# Altium PCB DCAC_V2c.PcbDoc (part 2 of 7) (continued)
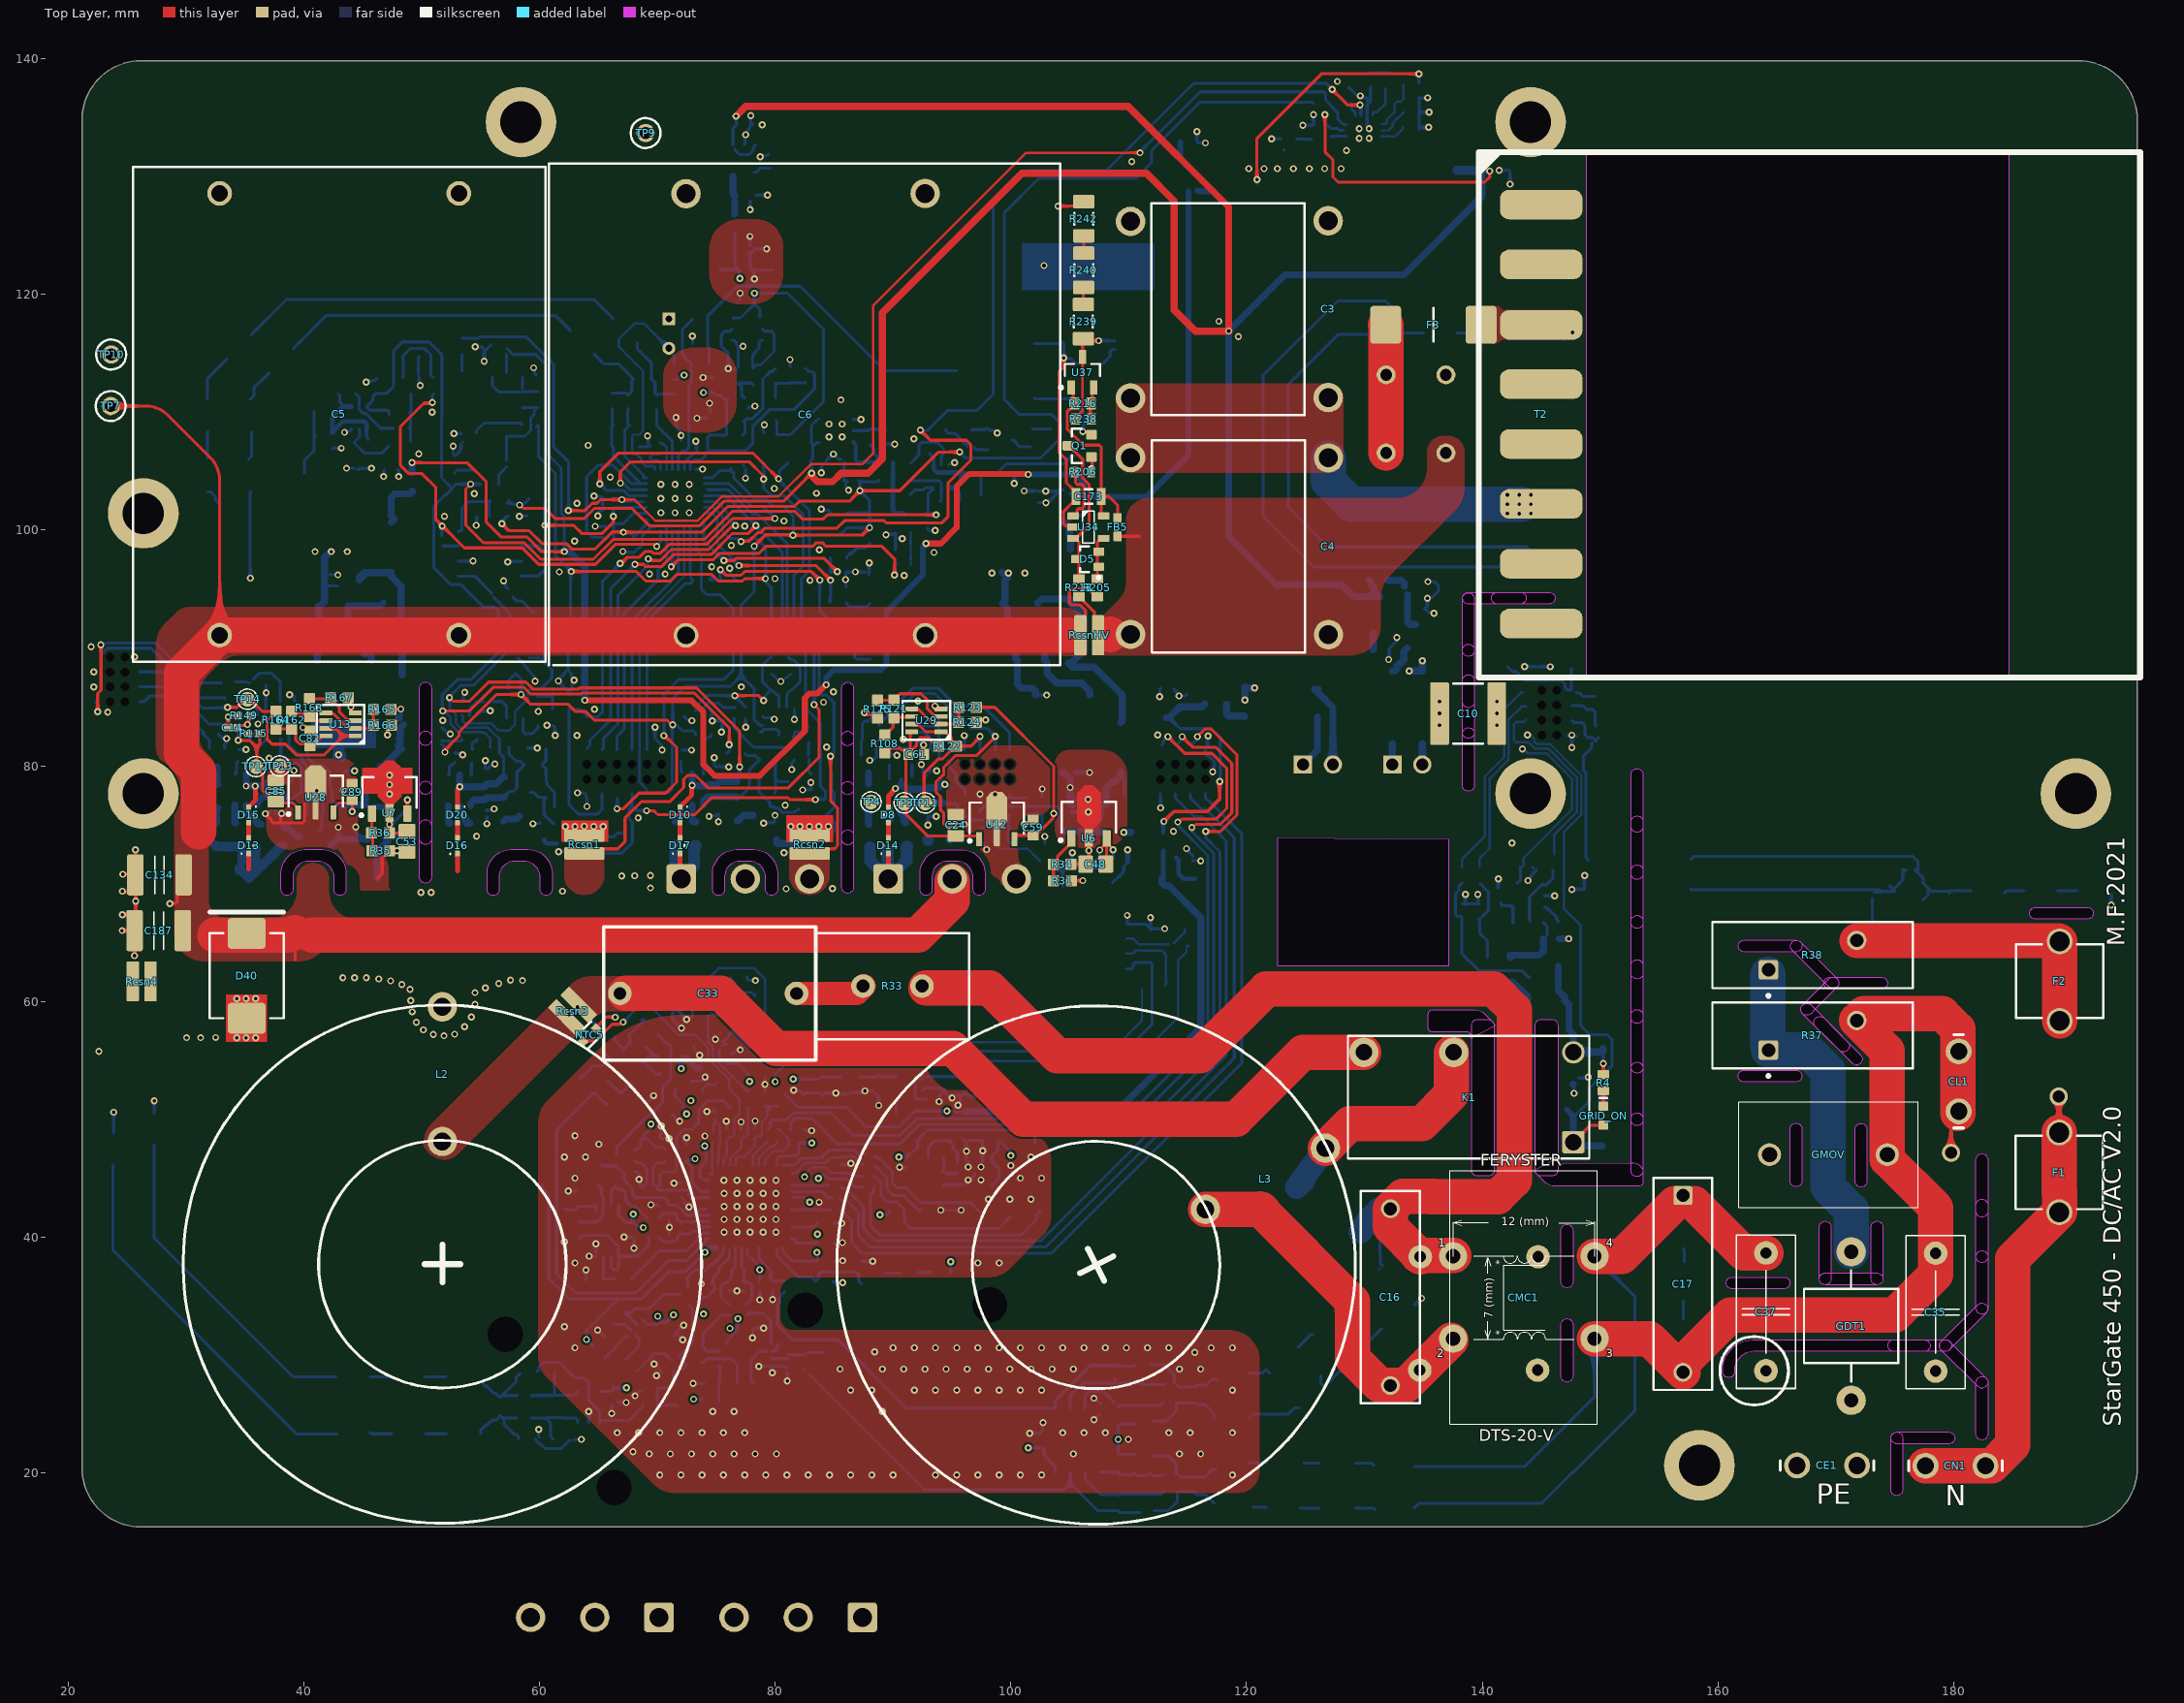
[diagram p0: Top Layer view]
## Footprints (in the part's own frame and the unit in brackets; to place one, negate y for a bottom-side part, rotate by r counter-clockwise, add the part's x,y. Pads: shape width x height; smd on the part's side, far side on the other; paste and mask are expansions set on the pad) (continued)
  round 1 on Mech15: 0(0,0)
  oval 1.6x0.6 smd: 1(-2.7,1.905) 2(-2.7,0.635) 3(-2.7,-0.635) 4(-2.7,-1.905) 5(2.7,-1.905) 6(2.7,-0.635) 7(2.7,0.635) 8(2.7,1.905)
  silkscreen extent -2.82,-2.5 1.6,2.83, body extent -3,-2.45 3,2.45, height 1.75
SOP65P490X109-8N [mm] "SOP, 0.65mm pitch, 8 pin, Body 3.0x3.0x1.09mm LWH, IPC Medium Density"
  round 1 on Mech15: 0(0,0)
  oval 1.5x0.4 smd: 1(-2.2,0.975) 2(-2.2,0.325) 3(-2.2,-0.325) 4(-2.2,-0.975) 5(2.2,-0.975) 6(2.2,-0.325) 7(2.2,0.325) 8(2.2,0.975)
  silkscreen extent -2.75,-1.6 1.2,1.83, body extent -2.45,-1.5 2.45,1.5, height 1.1
SOT23-3 [mm] "SOT23, 3 pin"
  round 0.5 on Mech15: 0(0,0)
  rrect25% 1x0.6 smd: 1(-1.15,0.95) 2(-1.15,-0.95) 3(1.15,0)
  silkscreen extent -0.38,-1.45 0.38,1.45, body extent -1.4,-1.45 1.4,1.45, height 1.29
SOT23-5 [mm]
  round 0.5 on Mech15: 0(0,0)
  rrect25% 1x0.6 smd: 1(-1.3,0.95) 2(-1.3,0) 3(-1.3,-0.95) 4(1.3,-0.95) 5(1.3,0.95)
  silkscreen extent -0.51,-1.35 0.51,1.35, body extent -1.4,-1.45 1.4,1.45, height 1.44
SOT23-6 [mm]
  round 0.5 on Mech15: 0(0,0)
  rrect25% 1x0.6 smd: 1(-1.3,0.95) 2(-1.3,0) 3(-1.3,-0.95) 4(1.3,-0.95) 5(1.3,0) 6(1.3,0.95)
  silkscreen extent -0.51,-1.35 0.51,1.35, body extent -1.4,-1.45 1.4,1.45, height 1.44
SOT65P280X110-8N [mm]
  rrect20% 1.1x0.4 smd: 1(-1.25,0.975) 2(-1.25,0.325) 3(-1.25,-0.325) 4(-1.25,-0.975) 5(1.25,-0.975) 6(1.25,-0.325) 7(1.25,0.325) 8(1.25,0.975)
  silkscreen extent -2.03,-1.65 2.03,1.67, body extent -1.4,-1.45 1.4,1.45, height 1.1
SOT223 [mm] "SOT223 /SC-73"
  round 1 on Mech15: 0(0,0)
  rrect25% 1.75x1.1 smd: 1(-3.3,2.3) 3(-3.3,-2.3)
  rrect25% 1.75x3.5 smd: 4(3.3,0)
  silkscreen extent -1.85,-3.35 1.85,3.35, body extent -3.65,-3.35 3.65,3.35, height 1.8
SOT223-3 [mm]
  round 1 on Mech15: 0(3.3,-2.25)
  rrect25% 1.75x1.1 smd: 1(0,0.05) 3(0,-4.55)
  rrect25% 1.75x3.5 smd: 4(6.6,-2.25)
  silkscreen extent 1.45,-5.6 5.15,1.1, body extent -0.35,-5.6 6.95,1.1, height 1.8
SOT-89_L [mm] "SOT89, 3-Leads, Body 4.5x2.4 mm, Pitch 1.5mm, Lead Span 4.1mm, IPC High Density"
  rrect20% 1.2x0.5 smd: 1(-1.7,1.5) 3(-1.7,-1.5)
  rrect20% 1.6x0.5 smd: 2(-1.5,0)
  oct 3x1.8 smd: 2(0.8,0)
  silkscreen extent -1.97,-2.3 1.4,2.42, body extent -1.2,-2.3 1.4,2.3, height 1.6
SQMW5 [mm]
  round 2 hole 1.1: 1(0,0) 2(5,0)
  silkscreen extent -4,-4.5 9,4.5, body extent -0.98,-3.98 6.02,4.02, height 20.1
TDK-B32922C3104K#1 [mm] "THD, 2-leads, Body 18x5mm, Pitch 15mm"
  round 1.6 hole 1.1: 1(-7.5,0) 2(7.5,0)
  silkscreen extent -9,-2.5 9,2.5, body extent -9,-2.5 9,2.5, height 10.5
TDK-B32922C3104K#2 [mm] "THD, 2-leads, Body 18x5mm, Pitch 15mm"
  rrect20% 1.6x1.6 hole 1.1: 1(-7.5,0)
  round 1.6 hole 1.1: 2(7.5,0)
  silkscreen extent -9,-2.5 9,2.5, body extent -9,-2.5 9,2.5, height 10.5
TP-R60 [mm]
  round 1.27 smd paste-1.27: 1(0,0)
  silkscreen extent -0.86,-0.86 0.86,0.86, body extent -0.76,-0.76 0.76,0.76, height 0.25

## Part data
BR1 BR2: "Bridge Rectifier", Manufacturer_Name=Bourns, Mouser Part Number=652-CD-HD2006L, Arrow Part Number=CD-HD2006L, Arrow Price/Stock=https://www.arrow.com/en/products/cd-hd2006l/bourns, Datasheet Link=https://componentsearchengine.com/Datasheets/1/CD-HD2006L.pdf, Height=1.22mm, Manufacturer_Part_Number=CD-HD2006L, Mouser Price/Stock=https://www.mouser.co.uk/ProductDetail/Bourns/CD-HD2006L?qs=zwwtnr6GuIxiiAFbFRVfeg%3D%3D
C1 C2 C3 C4: library part CAPMF_330n_TH_MPET_63VDC_10%, "ECW-FE2W105K", Case/Package=Radial, Dielectric Material=PP, Manufacturer=Panasonic, Manufacturer Part Number=ECWFE2W335J, Max Operating Temperature=105°C, Min Operating Temperature=-40°C, Supplier Part Number 1=2805922, Tolerance=5%, Voltage Rating (DC)=450V, Capacitance=1uF, ComponentLink1Description=https://industrial.panasonic.com/cdbs/www-data/pdf/RDI0000/DMI0000COL72.pdf?src-supplier=Digi-Key, ComponentLink1URL=https://industrial.panasonic.com/cdbs/www-data/pdf/RDI0000/DMI0000COL72.pdf?src-supplier=Digi-Key, Height - Seated (Max)=0.67inch, Lead Pitch=0.886inch, Length=1.024inch, Mount="Through Hole", Packaging=Bulk, RoHS=Yes, Stock 1=358, Supplier 1=Farnell, Termination="PC Pins", Width=0.394inch
C5: "Capacitor", Manufacturer_Name=Kemet, Datasheet Link=https://www.kemet.com/specsheet/C4AQLLW5360M36K, Height=24.2mm, Manufacturer_Part_Number=C4AQLLW5360M36K
C6: library part CAPMF_330n_TH_MPET_63VDC_10%, "Capacitor THD Metallized PP 45 uF, 500 VDC, -55/+105°C", Manufacturer=KEMET, Manufacturer Part Number=C4AQLLW5450A38K, Supplier Part Number 1=82AH0176, ComponentLink1Description=http://www.epcos.com/inf/20/20/db/fc_2009/MKT_B32520_529.pdf, ComponentLink1URL=http://www.epcos.com/inf/20/20/db/fc_2009/MKT_B32520_529.pdf, RoHS=Yes, Supplier 1=Newark
C7 C8 C162 C186: library part CAP, "X5R ±10% 10V 22uF 1206 Multilayer Ceramic Capacitors MLCC - SMD/SMT ROHS", Case Code (Imperial)=1206, Case Code (Metric)=3216, Dielectric=X7R, JLCPCB Part #=C5672, Manufacturer="Kyocera AVX", Manufacturer Part Number=12066C226KAT2A, Max Operating Temperature=125°C, Min Operating Temperature=-55°C, Package Quantity=2500, Rated Voltage="6.3 V", Supplier Part Number 1=478-5997-1-ND, Tolerance=Â±10%, Voltage=6.3V, Capacitance=22uF, Case-EIA=1206, Case-Metric=3216, Case/Package=1206, Category="Ceramic Capacitors", ComponentLink1Description=https://datasheet.ciiva.com/11786/0900766b80dc2409-11786266.pdf?src-supplier=RSComponents, ComponentLink1URL=https://datasheet.ciiva.com/11786/0900766b80dc2409-11786266.pdf?src-supplier=RSComponents, ComponentLink2Description=https://datasheet.ciiva.com/16315/cx7r-16315655.pdf?src-supplier=Future+Electronics, ComponentLink2URL=https://datasheet.ciiva.com/16315/cx7r-16315655.pdf?src-supplier=Future+Electronics, ComponentLink3Description=https://datasheet.ciiva.com/154/cx7r-154924.pdf?src-supplier=Digi-Key, ComponentLink3URL=https://datasheet.ciiva.com/154/cx7r-154924.pdf?src-supplier=Digi-Key, ComponentLink4Description=https://datasheet.ciiva.com/154/cx7r-154925.pdf?src-supplier=Digi-Key, ComponentLink4URL=https://datasheet.ciiva.com/154/cx7r-154925.pdf?src-supplier=Digi-Key, ComponentLink5Description=https://datasheet.ciiva.com/154/cx7r-154926.pdf?src-supplier=Digi-Key, ComponentLink5URL=https://datasheet.ciiva.com/154/cx7r-154926.pdf?src-supplier=Digi-Key, Contact Plating=Tin,Matte, Depth=1.6mm, Dissipation Factor=5%, Height=1.78mm, Lead Free="Lead Free", Length=3.2mm, Max Thickness="1.9 mm", Mount="Surface Mount", Number of Pins=2, Packaging="Tape and Reel", Pricing 1="1=0.81000, 10=0.57100, 100=0.37570, 500=0.27830, 1000=0.23656 (USD)", Radiation Hardening=No, REACH SVHC="No SVHC", RoHS=Yes, Stock 1=4915, Supplier 1=Digi-Key, Technology=SMT, Termination=SMD/SMT, Thickness=0.07inch, Voltage Rating=6.3V, Voltage Rating (DC)=6.3V, Width=1.6mm
C9 C23 C56 C57 C120 C121 C149 C185: library part CMP-2006-02595-1, "C0G ±5% 50V 100pF 0603 Multilayer Ceramic Capacitors MLCC - SMD/SMT ROHS", Case Code (Imperial)=0603, Case Code (Metric)=1608, Dielectric=C0G, Dielectric Material=Ceramic, Insulation Resistance=10GR, JLCPCB Part #=C14858, Manufacturer=Murata, Manufacturer Part Number=GRM1885C1H101JA01D, Max Operating Temperature=125°C, Min Operating Temperature=-55°C, Package Quantity=1, Supplier Part Number 1=490-1427-1-ND, Temperature coefficient=30ppm/°C, Tolerance=5%, Voltage=50V, Capacitance=100pF, Case/Package=0603, Category="Ceramic Capacitors", ComponentLink1Description=https://datasheet.ciiva.com/131/product-131088.pdf?src-supplier=Digi-Key, ComponentLink1URL=https://datasheet.ciiva.com/131/product-131088.pdf?src-supplier=Digi-Key, ComponentLink2Description=https://datasheet.ciiva.com/18100/getdatasheetpartid-26823-18100641.pdf?src-supplier=Verical, ComponentLink2URL=https://datasheet.ciiva.com/18100/getdatasheetpartid-26823-18100641.pdf?src-supplier=Verical, ComponentLink3Description=https://datasheet.ciiva.com/3777/grm1885c1h101ja0123-3777264.pdf?src-supplier=Arrow+Electronics, ComponentLink3URL=https://datasheet.ciiva.com/3777/grm1885c1h101ja0123-3777264.pdf?src-supplier=Arrow+Electronics, ComponentLink4Description=https://datasheet.ciiva.com/29149/450134-da-01-en-vs-kondensator-0603-29149008.pdf?src-supplier=Conrad, ComponentLink4URL=https://datasheet.ciiva.com/29149/450134-da-01-en-vs-kondensator-0603-29149008.pdf?src-supplier=Conrad, ComponentLink5Description=https://datasheet.ciiva.com/131/partnumbering-e-01-131089.pdf?src-supplier=Digi-Key, ComponentLink5URL=https://datasheet.ciiva.com/131/partnumbering-e-01-131089.pdf?src-supplier=Digi-Key, ComponentLink6Description=https://datasheet.ciiva.com/11605/c02e-11605557.pdf?src-supplier=Avnet, ComponentLink6URL=https://datasheet.ciiva.com/11605/c02e-11605557.pdf?src-supplier=Avnet, ComponentLink7Description=https://datasheet.ciiva.com/28556/4360-28556551.pdf?src-supplier=Element14, ComponentLink7URL=https://datasheet.ciiva.com/28556/4360-28556551.pdf?src-supplier=Element14, ComponentLink8Description=https://datasheet.ciiva.com/7828/4360-7828889.pdf?src-supplier=Element14, ComponentLink8URL=https://datasheet.ciiva.com/7828/4360-7828889.pdf?src-supplier=Element14, ComponentLink9Description=https://datasheet.ciiva.com/7828/4360-7828890.pdf?src-supplier=Element14, ComponentLink9URL=https://datasheet.ciiva.com/7828/4360-7828890.pdf?src-supplier=Element14, ComponentLink10Description=https://datasheet.ciiva.com/7828/4360-7828891.pdf?src-supplier=Element14, ComponentLink10URL=https://datasheet.ciiva.com/7828/4360-7828891.pdf?src-supplier=Element14, ComponentLink11Description=https://datasheet.ciiva.com/14116/grmseries-tc-hitype-eng-14116828.pdf?src-supplier=Distrelec, ComponentLink11URL=https://datasheet.ciiva.com/14116/grmseries-tc-hitype-eng-14116828.pdf?src-supplier=Distrelec, ComponentLink12Description=https://datasheet.ciiva.com/16291/product-16291613.pdf?src-supplier=Future+Electronics, ComponentLink12URL=https://datasheet.ciiva.com/16291/product-16291613.pdf?src-supplier=Future+Electronics, ComponentLink13Description=https://datasheet.ciiva.com/131/partnumbering-e-01-131087.pdf?src-supplier=Digi-Key, ComponentLink13URL=https://datasheet.ciiva.com/131/partnumbering-e-01-131087.pdf?src-supplier=Digi-Key, ComponentLink14Description=https://datasheet.ciiva.com/14116/grmseries-tc-hitype-eng-14116815.pdf?src-supplier=Distrelec, ComponentLink14URL=https://datasheet.ciiva.com/14116/grmseries-tc-hitype-eng-14116815.pdf?src-supplier=Distrelec, Depth=0.8mm, Height=0.8mm, Lead Free="Lead Free", Length=1.6mm, Material=Ceramic, Mount="Surface Mount", Number of Pins=2, Packaging="Tape and Reel", Part Number=GRM1885C1H101JA01D, Pricing 1="1=0.10000, 10=0.06100, 50=0.03320, 100=0.02700, 500=0.01932, 1000=0.01518 (USD)", Radiation Hardening=No, REACH SVHC=Unknown, RoHS=Yes, RoHS Compliant=Yes, Supplier 1=Digi-Key, Termination=SMD/SMT, Thickness=0.035inch, Voltage Rating=50V, Voltage Rating (DC)=50V, Weight=7.1E-05oz, Width=0.031inch
  C9 C56 C57 C120 C121 C149 C185: Stock 1=98306
  C23: Stock 1=416176
C10: library part CMP-2000-07534-1, "Chip Capacitor, 10 uF, +/- 20%, 100 V, -55 to 125 degC, 2220 (5750 Metric), RoHS, Tape and Reel", Capacitance=10uF, Case Code (Imperial)=2220, Case Code (Metric)=5750, Dielectric=X7R, Manufacturer=AVX, Manufacturer Part Number=22201C106MAT2A, Max Operating Temperature=125°C, Min Operating Temperature=-55°C, Package Description="2-Pin Surface Mount Device, Body 5 x 5.7 mm", Supplier Part Number 1=478-9622-1-ND, Tolerance=20%, Voltage Rating=100V, Case/Package=2220, ComponentLink1Description=http://catalogs.avx.com/SurfaceMount.pdf?src-supplier=Digi-Key, ComponentLink1URL=http://catalogs.avx.com/SurfaceMount.pdf?src-supplier=Digi-Key, Datasheet URL=http://datasheets.avx.com/X7RDielectric.pdf, Datasheet Version=03/2017, Length=0.224inch, Manufacturer URL=http://www.avx.com/, Mount="Surface Mount", Mounting Technology=SurfaceMount, Package Reference=2220, Packaging="Tape and Reel", Pricing 1="1=2,26000, 10=1,82600, 100=1,39470 (USD)", RoHS=Yes, Stock 1=129916, Supplier 1=Digi-Key, Thickness=0.11inch, Voltage Rating (DC)=100V, Width=0.197inch
C11 C12 C13 C156 C177: library part CAP-NP-2, "X5R ±10% 50V 1uF 0603 Multilayer Ceramic Capacitors MLCC - SMD/SMT ROHS", Capacitance=1µF, Case Size/Dimension=0603, Dielectric=X5R, JLCPCB Part #=C15849, Manufacturer=AVX, Package Description="2-Pin Surface Mount Device, Body 1.6 x 0.81 mm", Rated Voltage=10V, Tolerance (%)=±10%, Datasheet URL=https://datasheet.ciiva.com/11787/0900766b80a45521-11787469.pdf, Datasheet Version=10/2007, Manufacturer URL=http://www.avx.com/, Mounting Technology=SurfaceMount, Package Reference=0603
C14 C15 C80 C102 C118 C119: library part CMP-2008-04245-1, "C0G ±5% 50V 100pF 0402 Multilayer Ceramic Capacitors MLCC - SMD/SMT ROHS", Capacitance=10pF, Case Code (Imperial)=0402, Case Code (Metric)=1005, Dielectric=C0G, JLCPCB Part #=C1546, Manufacturer=Murata, Manufacturer Part Number=GRM1555C1H100JA01D, Max Operating Temperature=125°C, Min Operating Temperature=-55°C, Package Quantity=10000, Supplier Part Number 1=490-5921-1-ND, Temperature coefficient=30ppm/°C, Tolerance=5%, Voltage=50V, Case/Package=0402, Category="Ceramic Capacitors", ComponentLink1Description=https://datasheet.ciiva.com/2989/product-2989280.pdf?src-supplier=Avnet, ComponentLink1URL=https://datasheet.ciiva.com/2989/product-2989280.pdf?src-supplier=Avnet, ComponentLink2Description=https://datasheet.ciiva.com/18184/getdatasheetpartid-307234-18184164.pdf?src-supplier=Verical, ComponentLink2URL=https://datasheet.ciiva.com/18184/getdatasheetpartid-307234-18184164.pdf?src-supplier=Verical, ComponentLink3Description=https://datasheet.ciiva.com/29200/453545-da-01-en-vs-kondensator-0402-29200107.pdf?src-supplier=Conrad, ComponentLink3URL=https://datasheet.ciiva.com/29200/453545-da-01-en-vs-kondensator-0402-29200107.pdf?src-supplier=Conrad, ComponentLink4Description=https://datasheet.ciiva.com/6271/partnumbering-e-01-6271158.pdf?src-supplier=Digi-Key, ComponentLink4URL=https://datasheet.ciiva.com/6271/partnumbering-e-01-6271158.pdf?src-supplier=Digi-Key, ComponentLink5Description=https://datasheet.ciiva.com/48671/product-48671350.pdf?src-supplier=Avnet, ComponentLink5URL=https://datasheet.ciiva.com/48671/product-48671350.pdf?src-supplier=Avnet, ComponentLink6Description=https://datasheet.ciiva.com/6271/partnumbering-e-01-6271159.pdf?src-supplier=Digi-Key, ComponentLink6URL=https://datasheet.ciiva.com/6271/partnumbering-e-01-6271159.pdf?src-supplier=Digi-Key, ComponentLink7Description=https://datasheet.ciiva.com/6271/partnumbering-e-01-6271068.pdf?src-supplier=Digi-Key, ComponentLink7URL=https://datasheet.ciiva.com/6271/partnumbering-e-01-6271068.pdf?src-supplier=Digi-Key, ComponentLink8Description=https://datasheet.ciiva.com/7828/1666664-7828812.pdf?src-supplier=Element14, ComponentLink8URL=https://datasheet.ciiva.com/7828/1666664-7828812.pdf?src-supplier=Element14, Construction=Flat, Depth=0.5mm, Height=0.5mm, Lead Free="Lead Free", Length=1mm, Material=Ceramic, Mount="Surface Mount", Number of Pins=2, Packaging="Tape and Reel", Part Number=GRM1555C1H100JA01D, Pricing 1="1=0.10000, 10=0.01900, 50=0.01060, 100=0.00860, 500=0.00616, 1000=0.00484, 2500=0.00440, 5000=0.00405 (USD)", Radiation Hardening=No, REACH SVHC="No SVHC", RoHS=Yes, RoHS Compliant=Yes, Series=GRM, Stock 1=1896512, Supplier 1=Digi-Key, Termination=SMD/SMT, Thickness=0.022inch, Voltage Rating=50V, Voltage Rating (DC)=50V, Width=0.02inch
C16 C17: library part CMP-2000-05891-1, "EMI Suppression Capacitor (MKP), 0.1 uF, +/- 10%, 305 V, 2-Pin THD, RoHS, Bulk B32922C3104K", Capacitance=0.1µF, Dielectric Material=Polypropylene, Manufacturer=TDK, Operating Temperature=-40°C~110°C, Package / Case=Radial, Package Description="2-Pin Through Hole Device, Body 18 x 5 mm, Pitch 15 mm", Package Reference=B32922C3104K, Standard Package=4,000, Tolerance=±10%, Voltage Rating - AC=305V, Voltage Rating - DC=630V, Applications=EMISuppressionX2, Category=Capacitors, Datasheet URL=https://en.tdk.eu/inf/20/20/db/fc_2009/X2_B32921_928.pdf, Datasheet Version=09/2016, Dynamic Catalog=B32922Series, Family=FilmCapacitors, Features=EMISuppression, Height - Seated (Max)="0.413\"(10.50mm)", Lead Spacing="0.591\"(15.00mm)", Manufacturer URL=http://www.tdk.com/, Mounting Technology=ThroughHole, Mounting Type=ThroughHole, Other Names=495-4476, Packaging=Bulk, Series=B32922, Size / Dimension="0.709\"Lx0.197\"W(18.00mmx5.00mm)", Termination=PCPins
C18 C77: library part CAP-NP-2, "X7R ±10% 50V 4.7uF 1206 Multilayer Ceramic Capacitors MLCC - SMD/SMT ROHS", Capacitance=4.7uF, Capacitance - nF=1000nF, Case Code - in=1206, Case Code - mm=3216, Case Height=1.6mm, Case Length=3.2mm, Dielectric=X7R, JLCPCB Part #=C29823, Manufacturer=Kemet, Maximum Operating Temperature=+125C, Minimum Operating Temperature=-55C, Operating Temperature Range=-55Cto+125C, Package / Case=1206(3216metric), Package Description="2-Pin Surface Mount Device, Body 3.2 x 1.6 mm", Temperature Coefficient / Code=+/-15%, Tolerance=10%, Voltage Rating=25V, Brand=Kemet, Case Width=1.6mm, Class=Class1, Datasheet URL=https://ciiva.com/datasheet-click-18194173?src=ciiva&sig=6daff8c4, Datasheet Version=Jul-14, Dimensions=1.6mmWx3.2mmLx1.6mmH, Factory Pack Quantity=2000, Manufacturer URL=http://www.kemet.com/, Package Reference=1206, Packaging=Reel, Product=GeneralTypeMLCCs, Product Category=MultilayerCeramicCapacitorsMLCC-SMD/SMT, RoHS=Details, Series=C1206C, Termination Style=SMD/SMT, Type=SMDMLCCX7R6.3-250VDCCommericalGrade, Voltage Rating DC=25V
C19 C21 C30 C31 C44 C54 C55 C58 C59 C61 C65 C66 C67 C71 C73 C75 C79 C82 C88 C89 C93 C95 C96 C98 C107 C109 C112 C116 C122 C123 C126 C128 C136 C137 C138 C139 C140 C141 C142 C148 C152 C155 C158 C161 C163 C168 C169 C170 C171 C172 C174 C175 C176 C182: library part CAP, "X7R 100nF ±10% 50V 0603 Multilayer Ceramic Capacitors MLCC - SMD/SMT ROHS", Case Code (Imperial)=0603, Case Code (Metric)=1608, Dielectric=X7R, JLCPCB Part #=C14663, Manufacturer=Murata, Manufacturer Part Number=CC0603KRX7R9BB104, Max Operating Temperature=125°C, Min Operating Temperature=-55°C, Part Number=GCM188R72A104KA64D, Tolerance=10%, Voltage Rating=100V, Capacitance=100nF, Case/Package=0603, Category="Ceramic Capacitors", ComponentLink1Description=https://datasheet.ciiva.com/17451/product-17451047.pdf?src-supplier=Avnet+Europe, ComponentLink1URL=https://datasheet.ciiva.com/17451/product-17451047.pdf?src-supplier=Avnet+Europe, ComponentLink2Description=https://datasheet.ciiva.com/26889/getdatasheetpartid-387765-26889164.pdf?src-supplier=Verical, ComponentLink2URL=https://datasheet.ciiva.com/26889/getdatasheetpartid-387765-26889164.pdf?src-supplier=Verical, Depth=0.8mm, Height=0.8mm, Length=1.6mm, Mount="Surface Mount", Packaging="Tape and Reel", Radiation Hardening=No, RoHS=Yes, Supplier 1="Arrow Electronics", Supplier Part Number 1=GCM188R72A104KA64D, Termination=SMD/SMT, Voltage Rating (DC)=100V
C20: library part CAP, "X7R 1nF ±10% 50V 0402 Multilayer Ceramic Capacitors MLCC - SMD/SMT ROHS", Case Code (Imperial)=0402, Case Code (Metric)=1005, Dielectric=X7R, JLCPCB Part #=C1523, Manufacturer="AVX Interconnect / Elco", Manufacturer Part Number=04025C102MAT2A, Max Operating Temperature=125°C, Min Operating Temperature=-55°C, Package Quantity=1, Supplier Part Number 1=478-5130-1-ND, Tolerance=20%, Voltage=50V, Capacitance=1nF, Case/Package=0402, Category="Ceramic Capacitors", ComponentLink1Description=https://datasheet.ciiva.com/11787/0900766b80dc2409-11787048.pdf?src-supplier=RSComponents, ComponentLink1URL=https://datasheet.ciiva.com/11787/0900766b80dc2409-11787048.pdf?src-supplier=RSComponents, ComponentLink2Description=https://datasheet.ciiva.com/150/cx7r-150278.pdf?src-supplier=Digi-Key, ComponentLink2URL=https://datasheet.ciiva.com/150/cx7r-150278.pdf?src-supplier=Digi-Key, ComponentLink3Description=https://datasheet.ciiva.com/5424/cx7r-218113-5424822.pdf?src-supplier=Mouser, ComponentLink3URL=https://datasheet.ciiva.com/5424/cx7r-218113-5424822.pdf?src-supplier=Mouser, ComponentLink4Description=https://datasheet.ciiva.com/150/cx7r-150279.pdf?src-supplier=Digi-Key, ComponentLink4URL=https://datasheet.ciiva.com/150/cx7r-150279.pdf?src-supplier=Digi-Key, ComponentLink5Description=https://datasheet.ciiva.com/150/cx7r-150280.pdf?src-supplier=Digi-Key, ComponentLink5URL=https://datasheet.ciiva.com/150/cx7r-150280.pdf?src-supplier=Digi-Key, ComponentLink6Description=https://datasheet.ciiva.com/16327/cx7r-16327672.pdf?src-supplier=Future+Electronics, ComponentLink6URL=https://datasheet.ciiva.com/16327/cx7r-16327672.pdf?src-supplier=Future+Electronics, ComponentLink7Description=https://datasheet.ciiva.com/1123/1679506-1123707.pdf?src-supplier=Element14, ComponentLink7URL=https://datasheet.ciiva.com/1123/1679506-1123707.pdf?src-supplier=Element14, ComponentLink8Description=https://datasheet.ciiva.com/1123/1679506-1123708.pdf?src-supplier=Element14, ComponentLink8URL=https://datasheet.ciiva.com/1123/1679506-1123708.pdf?src-supplier=Element14, ComponentLink9Description=https://datasheet.ciiva.com/11510/cx7r-11510958.pdf?src-supplier=Avnet, ComponentLink9URL=https://datasheet.ciiva.com/11510/cx7r-11510958.pdf?src-supplier=Avnet, ComponentLink10Description=https://datasheet.ciiva.com/16623/cx7r-16623374.pdf?src-supplier=Avnet+Europe, ComponentLink10URL=https://datasheet.ciiva.com/16623/cx7r-16623374.pdf?src-supplier=Avnet+Europe, Construction=Flat, Depth=0.5mm, Height=0.56mm, Lead Free="Lead Free", Length=1mm, Mount="Surface Mount", Packaging="Tape and Reel", Part Number=04025C102MAT2A, Pricing 1="1=0.10000, 10=0.03300, 50=0.01800, 100=0.01470, 500=0.01046, 1000=0.00822, 2500=0.00748, 5000=0.00688 (USD)", Radiation Hardening=No, REACH SVHC="No SVHC", RoHS=Yes, RoHS Compliant=Yes, Series=-, Stock 1=32316, Supplier 1=Digi-Key, Termination=SMD/SMT, Thickness=0.022inch, Voltage Rating=50V, Voltage Rating (DC)=50V, Width=0.02inch
C22 C99 C129 C131 C151 C190: library part CMP-2006-02924-1, "X7R ±10% 50V 10nF 0603 Multilayer Ceramic Capacitors MLCC - SMD/SMT ROHS", Capacitance=4.7nF, Case Code (Imperial)=0603, Case Code (Metric)=1608, Dielectric=X7R, Dielectric Material=Ceramic, Insulation Resistance=10GR, JLCPCB Part #=C57112, Manufacturer=Murata, Manufacturer Part Number=GRM188R71H472KA01D, Max Operating Temperature=125°C, Min Operating Temperature=-55°C, Package Quantity=1, Supplier Part Number 1=1118177, Tolerance=10%, Voltage=50V, Case/Package=0603, Category="Ceramic Capacitors", ComponentLink1Description=https://datasheet.ciiva.com/5412/product-5412608.pdf?src-supplier=Mouser, ComponentLink1URL=https://datasheet.ciiva.com/5412/product-5412608.pdf?src-supplier=Mouser, ComponentLink2Description=https://datasheet.ciiva.com/18102/getdatasheetpartid-75298-18102657.pdf?src-supplier=Verical, ComponentLink2URL=https://datasheet.ciiva.com/18102/getdatasheetpartid-75298-18102657.pdf?src-supplier=Verical, ComponentLink3Description=https://datasheet.ciiva.com/11787/0900766b8003061f-11787116.pdf?src-supplier=RSComponents, ComponentLink3URL=https://datasheet.ciiva.com/11787/0900766b8003061f-11787116.pdf?src-supplier=RSComponents, ComponentLink4Description=https://datasheet.ciiva.com/29201/451888-da-01-en-vs-kondensator-0603-29201828.pdf?src-supplier=Conrad, ComponentLink4URL=https://datasheet.ciiva.com/29201/451888-da-01-en-vs-kondensator-0603-29201828.pdf?src-supplier=Conrad, ComponentLink5Description=https://datasheet.ciiva.com/7937/4360-7937669.pdf?src-supplier=Element14, ComponentLink5URL=https://datasheet.ciiva.com/7937/4360-7937669.pdf?src-supplier=Element14, ComponentLink6Description=https://datasheet.ciiva.com/48428/nmgrm-data-en-48428597.pdf?src-supplier=Distrelec, ComponentLink6URL=https://datasheet.ciiva.com/48428/nmgrm-data-en-48428597.pdf?src-supplier=Distrelec, ComponentLink7Description=https://datasheet.ciiva.com/7937/4360-7937670.pdf?src-supplier=Element14, ComponentLink7URL=https://datasheet.ciiva.com/7937/4360-7937670.pdf?src-supplier=Element14, ComponentLink8Description=https://datasheet.ciiva.com/7937/4360-7937671.pdf?src-supplier=Element14, ComponentLink8URL=https://datasheet.ciiva.com/7937/4360-7937671.pdf?src-supplier=Element14, ComponentLink9Description=https://datasheet.ciiva.com/130/partnumbering-e-01-130733.pdf?src-supplier=Digi-Key, ComponentLink9URL=https://datasheet.ciiva.com/130/partnumbering-e-01-130733.pdf?src-supplier=Digi-Key, ComponentLink10Description=https://datasheet.ciiva.com/130/partnumbering-e-01-130734.pdf?src-supplier=Digi-Key, ComponentLink10URL=https://datasheet.ciiva.com/130/partnumbering-e-01-130734.pdf?src-supplier=Digi-Key, ComponentLink11Description=https://datasheet.ciiva.com/130/partnumbering-e-01-130735.pdf?src-supplier=Digi-Key, ComponentLink11URL=https://datasheet.ciiva.com/130/partnumbering-e-01-130735.pdf?src-supplier=Digi-Key, Depth=0.8mm, Height=0.8mm, Lead Free="Lead Free", Length=1.6mm, Material=Ceramic, Mount="Surface Mount", Number of Pins=2, Packaging="Tape and Reel", Part Number=GRM188R71H472KA01D, Pricing 1="1=19.92000, 3=19.13000 (GBP)", Radiation Hardening=No, REACH SVHC="No SVHC", RoHS=Yes, RoHS Compliant=Yes, Series=GRM, Supplier 1=Farnell, Termination=SMD/SMT, Thickness=0.035inch, Voltage Rating=50V, Voltage Rating (DC)=50V, Width=0.8mm
C24 C81 C85 C87 C103 C115 C124 C125: library part CAPC_1u_0805_X7R_16V_10%, "X5R 25V ±10% 4.7uF 0805 Multilayer Ceramic Capacitors MLCC - SMD/SMT ROHS", JLCPCB Part #=C1779, Manufacturer 1=Yageo, Manufacturer 2=Kemet, Manufacturer 3="Samsung Electro-Mechanics America, Inc", Manufacturer 4="TDK Corporation", Manufacturer Part Number 1=CC0805KKX7R7BB105, Manufacturer Part Number 2=C0805C105K4RACTU, Manufacturer Part Number 3=CL21B105KOFNNNE, Manufacturer Part Number 4=C2012X7R1C105K125AA, Package / Case="0805 (2012 metric)", Ratings="16V; X7R", Supplier Part Number 1=311-1365-6-ND, Temperature coefficient=X7R, Tolerance=±10%, ComponentLink1Description=http://www.yageo.com/documents/recent/UPY-GPHC_X7R_6.3V-to-50V_8.pdf, ComponentLink1URL=http://www.yageo.com/documents/recent/UPY-GPHC_X7R_6.3V-to-50V_8.pdf, ComponentLink2Description=http://www.kemet.com/datasheets&C0805C105K4RACTU, ComponentLink2URL=http://www.kemet.com/datasheets&C0805C105K4RACTU, ComponentLink3Description=http://www.samsungsem.com/servlet/FileDownload?type=spec&file=CL21B105KOFNNNE.pdf, ComponentLink3URL=http://www.samsungsem.com/servlet/FileDownload?type=spec&file=CL21B105KOFNNNE.pdf, ComponentLink4Description=http://product.tdk.com/capacitor/mlcc/en/documents/mlcc_commercial_general_en.pdf, ComponentLink4URL=http://product.tdk.com/capacitor/mlcc/en/documents/mlcc_commercial_general_en.pdf, Material=ceramic, RoHS 1="RoHS Compliant", RoHS 2="RoHS Compliant", RoHS 3="RoHS Compliant", RoHS 4="RoHS Compliant", SCDType=spec, Supplier 1=Digi-Key, Supplier 2=Digi-Key, Supplier 3=Digi-Key, Supplier 4=Digi-Key, Supplier Part Number 2=399-1284-6-ND, Supplier Part Number 3=1276-1026-6-ND, Supplier Part Number 4=445-1358-6-ND